# Altium PCB neuro_module.PcbDoc (part 2 of 5)
Units mm, origin at the board's own origin, x right, y up, seen from the top; angles counter-clockwise.
Board outline 96.06 x 102.67 mm, 6 copper layers (Top Layer, Power Layer, Signal Layer 1, GND Plane, Signal Layer 2, Bottom Layer), stack 1.48 mm thick; 479 components, 526 nets, 1822 pads, 1001 vias.
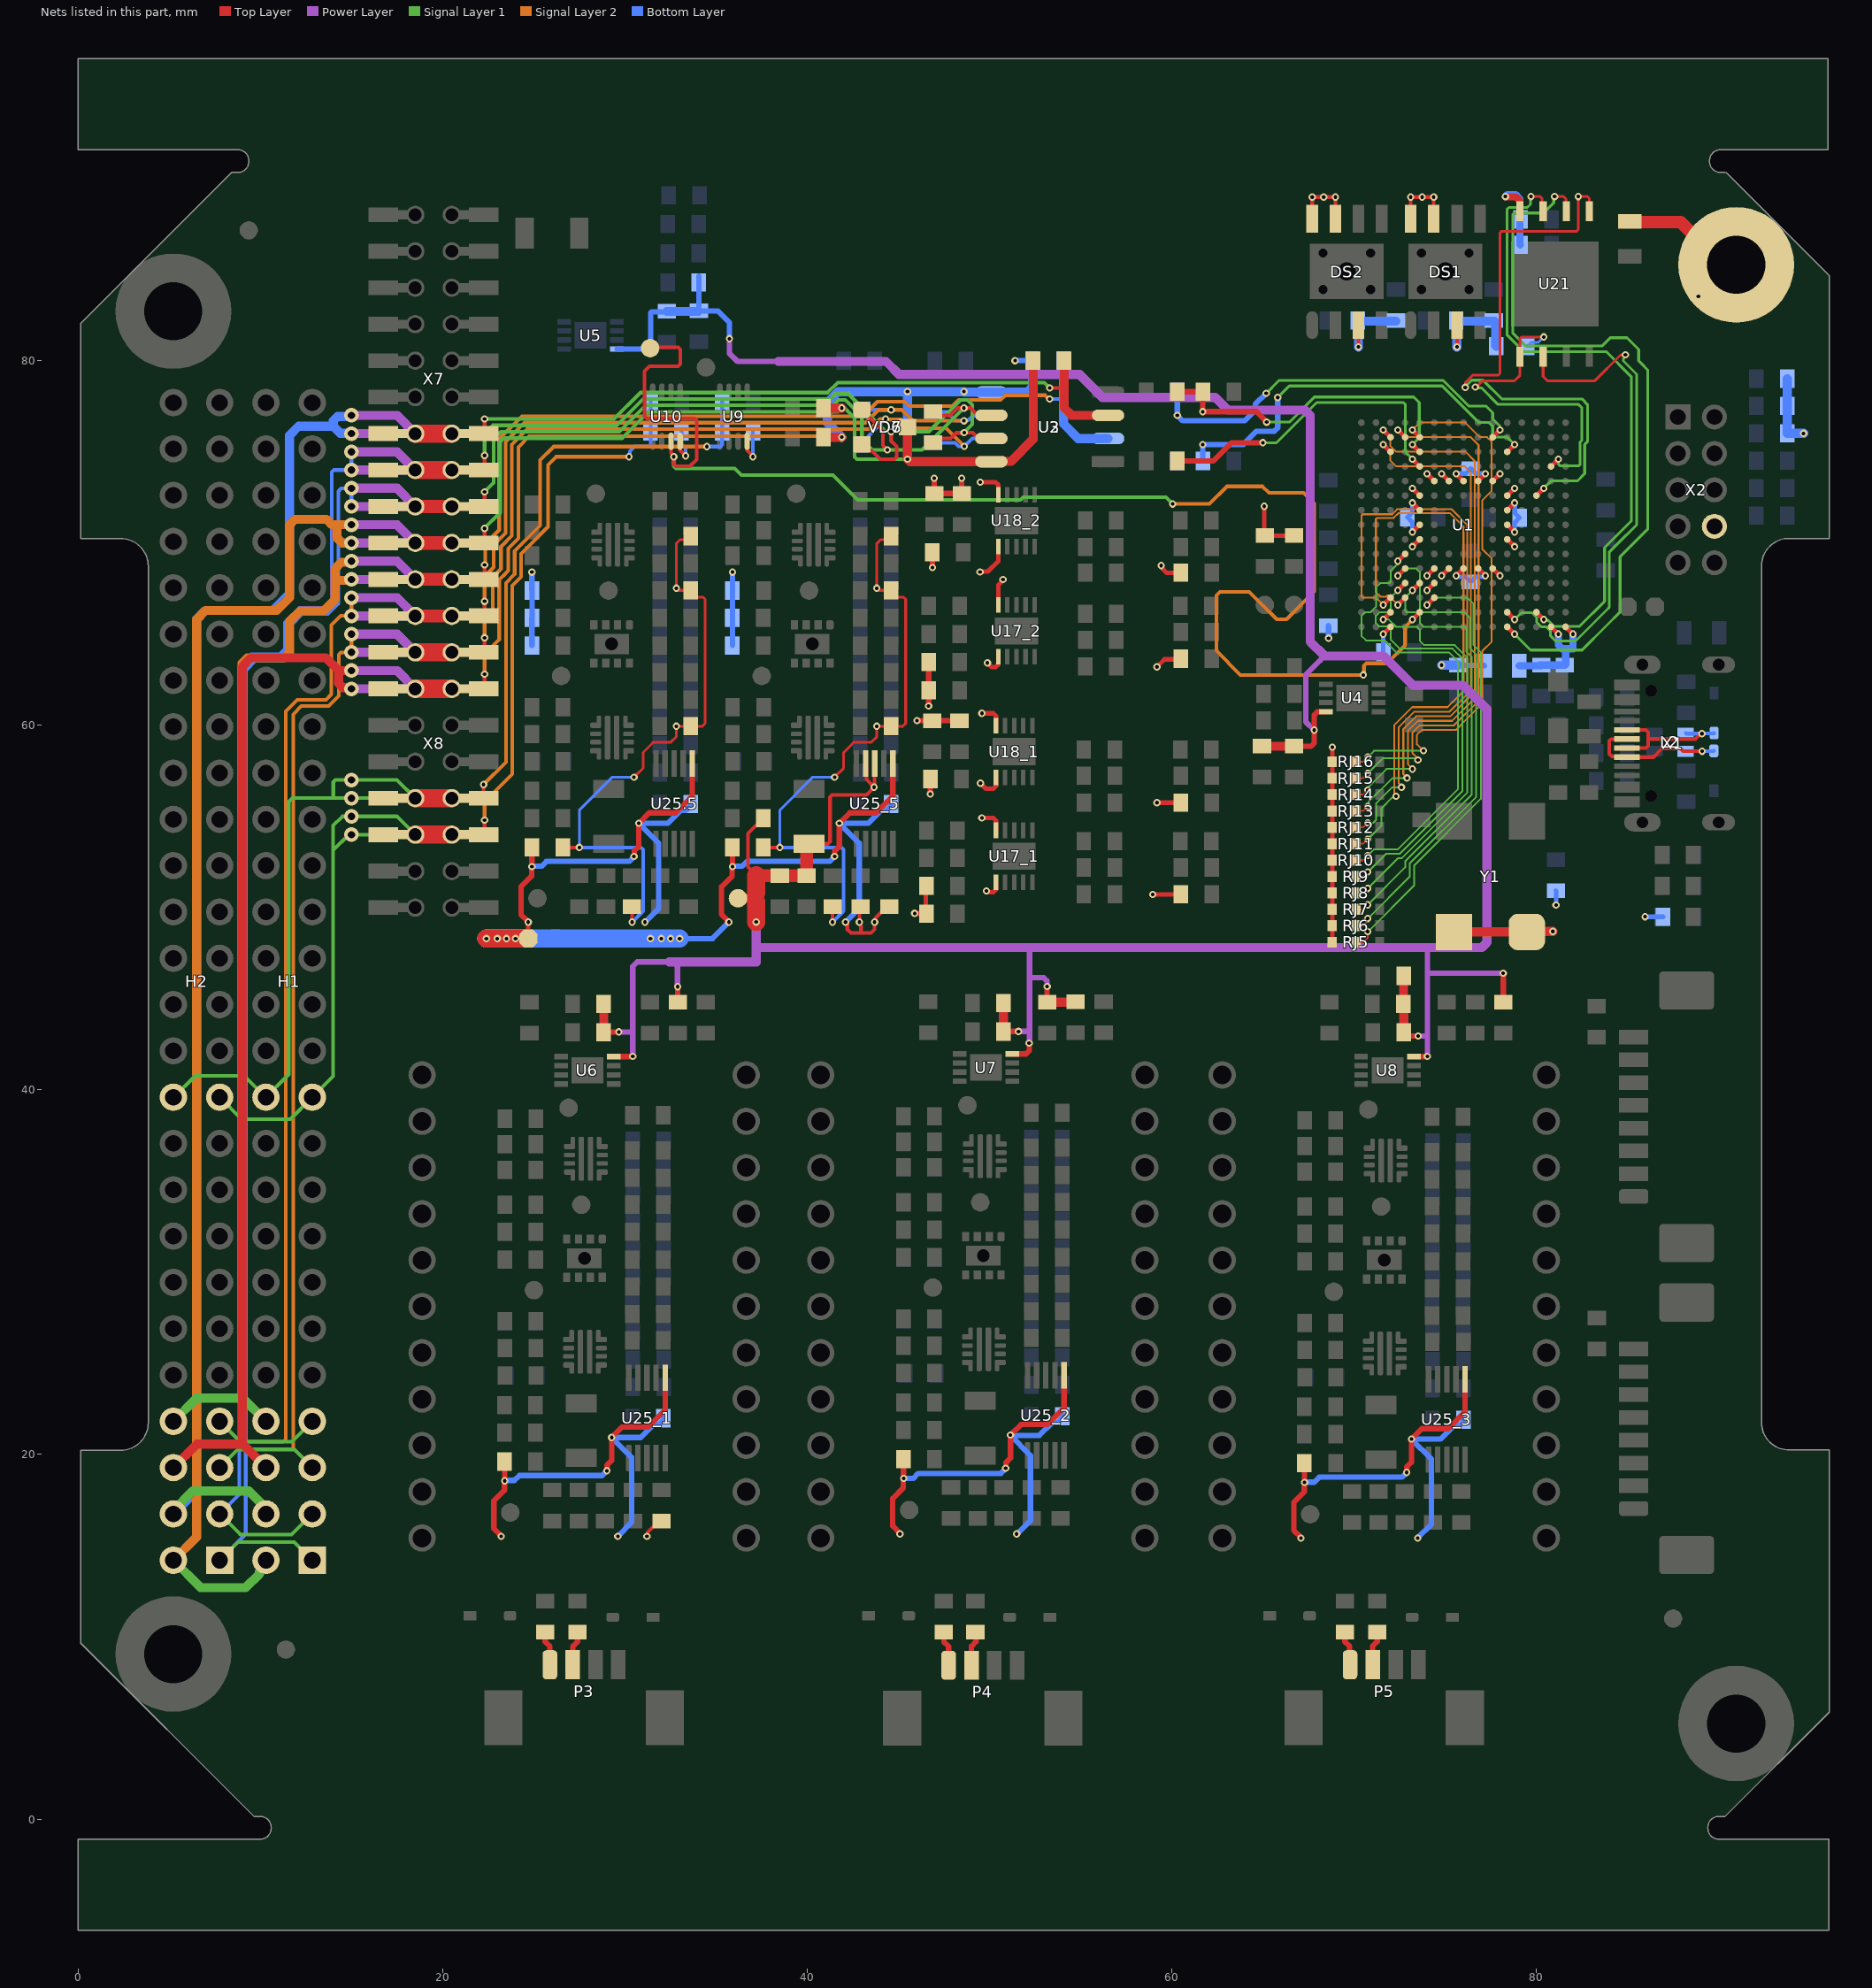
[diagram p6: the nets of this part, all layers, seen from the top]

## Footprints (in the part's own frame and the unit in brackets; to place one, negate y for a bottom-side part, rotate by r counter-clockwise, add the part's x,y. Pads: shape width x height; smd on the part's side, far side on the other; paste and mask are expansions set on the pad) (continued)
ESQ-126-39-G-D [mm] ".100\" PC/10 Elevated Socket Strip"
  rect 1.5x1.5 hole 0.9: 1(0,0)
  round 1.5 hole 0.9: 2(0,2.54) 3(2.54,0) 4(2.54,2.54) 5(5.08,0) 6(5.08,2.54) 7(7.62,0) 8(7.62,2.54) 9(10.16,0) 10(10.16,2.54) 11(12.7,0) 12(12.7,2.54) 13(15.24,0) 14(15.24,2.54) 15(17.78,0) 16(17.78,2.54) 17(20.32,0) 18(20.32,2.54) 19(22.86,0) 20(22.86,2.54) 21(25.4,0) 22(25.4,2.54) 23(27.94,0) 24(27.94,2.54) 25(30.48,0) 26(30.48,2.54) 27(33.02,0) 28(33.02,2.54) 29(35.56,0) 30(35.56,2.54) 31(38.1,0) 32(38.1,2.54) 33(40.64,0) 34(40.64,2.54) 35(43.18,0) 36(43.18,2.54) 37(45.72,0) 38(45.72,2.54) 39(48.26,0) 40(48.26,2.54) 41(50.8,0) 42(50.8,2.54) 43(53.34,0) 44(53.34,2.54) 45(55.88,0) 46(55.88,2.54) 47(58.42,0) 48(58.42,2.54) 49(60.96,0) 50(60.96,2.54) 51(63.5,0) 52(63.5,2.54)
  silkscreen extent -1.53,-1 65.03,3.54, body extent -1.39,-1.22 64.9,3.78, height 11.2
IDC2-10R [mil] "DS1014-10R, BH2-10R"
  rect 54x54 hole 34: 1(0,0)
  round 54 hole 34: 2(0,78.74) 3(78.74,0) 4(78.74,78.74) 5(157.48,0) 6(157.48,78.74) 7(236.22,0) 8(236.22,78.74) 9(314.96,0) 10(314.96,78.74)
  silkscreen extent -181,-35 496,118, body extent -181,-12 496,333, height 220
LED_0603 [mm]
  rect 0.8x1 smd: 1(0,0) 2(1.7,0)
  silkscreen extent -0.64,-0.5 2.32,0.51, body extent 0.04,-0.37 1.69,0.36, height 0.68
LFCSP-10_3x3 [mm] "LFCSP, 10-Leads, Body 3,00x3,00mm, Pitch 0,50mm, Thermal Pad 2,36x1,49mm, IPC Medium Density"
  rect 0.85x0.25 smd mask+0.05: 1(-1.42,1) 2(-1.42,0.5) 3(-1.42,0) 4(-1.42,-0.5) 5(-1.42,-1) 6(1.42,-1) 7(1.42,-0.5) 8(1.42,0) 9(1.42,0.5) 10(1.42,1)
  rect 1.49x2.36 smd mask+0.05: 11(0,0)
  silkscreen extent -2.15,-1.7 1.7,1.75, body extent -1.57,-1.55 1.57,1.55, height 0.8
NetTie_1mm [mm]
  oct 1x1 smd: 1(0,0) 2(1.5,0)
  Top Layer region: 1,-0.25 1.25,-0.5 1.75,-0.5 2,-0.25 2,0.25 1.75,0.5 1.25,0.5 1,0.25
  Top Layer region: -0.25,-0.5 -0.5,-0.25 -0.5,0.25 -0.25,0.5 0.25,0.5 0.5,0.25 0.5,-0.25 0.25,-0.5
  Top Layer lines w0.9: 0,0 1.5,0
  silkscreen extent 0.5,-0.4 1,0.4
PLD2-20_SD87340-20 [mm]
  round 1 hole 0.7: 1(-1.75,0) 2(-3.75,0) 3(-1.75,-2) 4(-3.75,-2) 5(-1.75,-4) 6(-3.75,-4) 7(-1.75,-6) 8(-3.75,-6) 9(-1.75,-8) 10(-3.75,-8) 11(-1.75,-10) 12(-3.75,-10) 13(-1.75,-12) 14(-3.75,-12) 15(-1.75,-14) 16(-3.75,-14) 17(-1.75,-16) 18(-3.75,-16) 19(-1.75,-18) 20(-3.75,-18)
  rect 1.5x0.5 smd: 1(-1.1,0) 2(-4.4,0) 3(-1.1,-2) 4(-4.4,-2) 5(-1.1,-4) 6(-4.4,-4) 7(-1.1,-6) 8(-4.4,-6) 9(-1.1,-8) 10(-4.4,-8) 11(-1.1,-10) 12(-4.4,-10) 13(-1.1,-12) 14(-4.4,-12) 15(-1.1,-14) 16(-4.4,-14) 17(-1.1,-16) 18(-4.4,-16) 19(-1.1,-18) 20(-4.4,-18)
  rect 1.626x0.813 smd: 1(0,0) 2(-5.5,0) 3(0,-2) 4(-5.5,-2) 5(0,-4) 6(-5.5,-4) 7(0,-6) 8(-5.5,-6) 9(0,-8) 10(-5.5,-8) 11(0,-10) 12(-5.5,-10) 13(0,-12) 14(-5.5,-12) 15(0,-14) 16(-5.5,-14) 17(0,-16) 18(-5.5,-16) 19(0,-18) 20(-5.5,-18)
  body extent -5.7,-19 0.3,1, height 2.1
ReperPoint [mm] "Reper"
  round 1 smd mask+1: 1(0,0)
SMD_0603 [mm]
  rect 0.8x1 smd: 1(0,0) 2(1.7,0)
  silkscreen extent -0.64,-0.6 2.33,0.6, body extent 0.04,-0.42 1.68,0.43, height 0.43
SMD_0805 [mm]
  rect 0.8x1.3 smd: 1(0,0) 2(1.9,0)
  silkscreen extent -0.64,-0.76 2.54,0.76, body extent -0.05,-0.62 1.95,0.63, height 0.43
SMD_1206 [mm]
  rect 1x1.7 smd: 1(0,0) 2(3,0)
  silkscreen extent 0.7,-0.91 2.3,0.9, body extent -0.09,-0.8 3.11,0.8, height 0.44
SMD_7050_Crystal_Oscillator [mm]
  rrect50% 2x2 smd: 1(-1,0)
  rect 2x2 smd: 2(5.08,0) 3(5.08,4) 4(-1,4)
  silkscreen extent -1.23,-0.5 5,4.5, body extent -1.4,-0.52 5.6,4.5, height 1.52
SMD_C0603 [mm]
  rect 0.8x1 smd: 1(0,0) 2(1.7,0)
  silkscreen extent -0.64,-0.6 2.32,0.6, body extent 0,-0.45 1.7,0.45, height 0.9
SMD_JMP_0402 [mm]
  rect 0.5x0.6 smd: 1(0,0) 2(1.3,0) 3(-1.3,0)
  silkscreen extent -1.73,-0.4 1.72,0.41, body extent 0.15,-0.25 1.15,0.25, height 0.34
SOD-123 [mm]
  rect 1.35x1.1 smd: 1(0,0) 2(2.85,0)
  silkscreen extent -0.83,-0.9 3.27,0.99, body extent -0.37,-0.8 3.22,0.8, height 1.19
SOD-323 [mm] "SC-76 plastic surface mounted package; 2 leads"
  rrect50% 0.7x0.5 smd: 1(0,0)
  rect 0.7x0.5 smd: 2(2.2,0)
  silkscreen extent -0.38,-0.7 2,0.76, body extent -0.2,-0.67 2.4,0.68, height 1.1
SOIC-8 [mil]
  rect 70x23.62 smd: 1(0,0)
  oval 70x25 smd: 2(0,-50) 3(0,-100) 4(0,-150) 5(251.97,-150) 6(251.97,-100) 7(251.97,-50) 8(251.97,0)
  silkscreen extent -5,-177 209,34, body extent 4,-173 248,24, height 69
SOT-23 [mm]
  rrect50% 0.95x0.9 smd: 1(0,0)
  rect 0.95x0.9 smd: 2(0,-1.9) 3(2.5,-0.95)
  silkscreen extent 0.87,-2.25 2.5,0.35, body extent 0,-2.45 2.5,0.55, height 1.08
TDFN-8_6x5 [mm] "TDFN 8-pin 6x5mm"
  oval 1.524x0.635 smd: 1(0,0)
  rect 1.524x0.635 smd: 2(0,-1.27) 3(0,-2.54) 4(0,-3.81) 5(5.825,-3.81) 6(5.825,-2.54) 7(5.825,-1.27) 8(5.825,0)
  round 0.8 hole 0.5: TP(1.95,-0.6) TP(1.95,-3.2) TP(3.95,-3.2) TP(3.95,-0.6)
  round 1.5 hole 1: TP(2.95,-1.9)
  rect 3.048x4.064 smd: TP(2.95,-1.9)
  silkscreen extent -0.83,-4.44 5.95,1, body extent -0.08,-4.4 5.92,0.6, height 0.79
TP_PAD_1 [mil]
  round 40 smd: 0(0,0)
US-8 [mm] "US, 8-Leads, Body 2,30x2,00mm, Pitch 0,50mm, IPC Medium Density"
  oval 0.95x0.3 smd: 1(-1.35,0.75) 2(-1.35,0.25) 3(-1.35,-0.25) 4(-1.35,-0.75) 5(1.35,-0.75) 6(1.35,-0.25) 7(1.35,0.25) 8(1.35,0.75)
  silkscreen extent -1.47,-1.2 0.65,1.58, body extent -1.55,-1.2 1.55,1.2, height 0.9
uSiL-8 [mm] "microSiP 9-pin 3.0x2.8mm"
  rrect50% 0.5x0.4 smd: 1(0,0)
  rect 0.5x0.4 smd: 2(0,-0.65) 3(0,-1.3) 4(0,-1.95) 5(2.1,-1.95) 6(2.1,-1.3) 7(2.1,-0.65) 8(2.1,0)
  round 1.1 hole 0.7: 9(1.05,-0.975)
  rect 1.1x1.9 smd: 9(1.05,-0.975)
  silkscreen extent -0.7,-2.55 2.45,0.6, body extent -0.35,-2.47 2.45,0.53, height 1.53
VALCON_CSP-USC16-TR [mm]
  rect 0.3x1.394 smd: A1(-3.35,0.254) A4(-2.55,0.254) A5(-1.25,0.254) A6(-0.25,0.254) A7(0.25,0.254) A8(1.25,0.254) A9(2.55,0.254) A12(3.35,0.254) B1(3.05,0.254) B4(2.25,0.254) B5(1.75,0.254) B6(0.75,0.254) B7(-0.75,0.254) B8(-1.75,0.254) B9(-2.25,0.254) B12(-3.05,0.254)
  oval 1x2 hole 0.65 slot 1.72 at 90 deg: S1(-4.325,-0.59) S2(4.325,-0.59)
  oval 0.9x1.8 hole 0.65 slot 1.4 at 90 deg: S3(-4.325,-4.77) S4(4.325,-4.77)
  round 0.65 hole 0.65 unplated: ""(-2.89,-1.07) ""(2.89,-1.07)
  silkscreen extent -5.67,-6.86 4.47,0.1, body extent -4.47,-7.3 4.47,0.45, height 3.26
VQFN-HR-10 [mm]
  rrect50% 0.6x0.3 smd: 1(-0.9,0.7) 4(-0.9,-0.7) 7(0.9,-0.7) 10(0.9,0.7)
  rrect50% 0.25x0.6 smd: 1(-0.725,0.875) 4(-0.725,-0.925) 7(0.725,-0.925) 10(0.725,0.875)
  rrect50% 0.6x0.25 smd: 2(-0.9,0.225) 3(-0.9,-0.225) 8(0.9,-0.225) 9(0.9,0.225)
  rrect50% 0.3x2.4 smd: 5(-0.25,-0.025) 6(0.25,-0.025)
  silkscreen extent -1.45,1.2 -1.2,1.45, body extent -1.1,-1.1 1.1,1.1, height 1
VSSOP-10 [mm] "Small Outline Package, 10-pin, 3x3mm, 1.1mm height"
  rrect50% 1.45x0.3 smd: 1(0,0)
  rect 1.45x0.3 smd: 2(0,-0.5) 3(0,-1) 4(0,-1.5) 5(0,-2) 6(4.4,-2) 7(4.4,-1.5) 8(4.4,-1) 9(4.4,-0.5) 10(4.4,0)
  silkscreen extent -0.12,-2.55 3.35,0.82, body extent -0.25,-2.55 4.65,0.55, height 1.1
WSON-8_6X8 [mm] "SON, 8-Leads, Body 6,00x8,00mm, Pitch 1,27mm, Thermal Pad 4,80x4,65mm, IPC Medium Density"
  rect 1.1x0.4 smd: 1(0,0) 2(0,-1.27) 3(0,-2.54) 4(0,-3.81) 5(7.98,-3.81) 6(7.98,-2.54) 7(7.98,-1.27) 8(7.98,0)
  rect 4.65x4.8 smd paste-2.325: 9(3.99,-1.905)
  silkscreen extent -0.61,-5.03 8.12,1.32, body extent -0.06,-4.91 8.04,1.09, height 0.8

## Part data
C1 C2 C3 C4 C7 C12.5 C12_1 C12_2 C12_3 C12_5 C13.5 C13_1 C13_2 C13_3 C13_5 C18.5 C18_1 C18_2 C18_3 C18_5 C19.5 C19_1 C19_2 C19_3 C19_5 C20 C21 C24 C25 C26 C27 C28 C29 C30 C31 C32.5 C32_1 C32_2 C32_3 C32_5 C33 C36 C37 C38 C39 C40 C41 C42 C43 C44 C45 C46 C47 C48 C49: library part Capacitor, "Capacitor", Назначение=SMD-конденсатор, Наименование=Конденсатор, Потребление, Вт=0
  C1 C2 C12.5 C12_1 C12_2 C12_3 C12_5 C13.5 C13_1 C13_2 C13_3 C13_5 C18.5 C18_1 C18_2 C18_3 C18_5 C19.5 C19_1 C19_2 C19_3 C19_5 C29 C30 C31 C33 C40 C42 C43 C44 C45 C46 C47 C48 C49: Напряжение=В, Точность=%
DS1 DS2: library part FM25V, "2Mb Serial 3V FRAM Memory", ComponentLink1Description=Datasheet, ComponentLink1URL=https://www.cypress.com/file/136456/download, Назначение="2Mb Serial 3V FRAM Memory", Наименование=FM25V20, Потребление, Вт=0,009
G1.5 G1_1 G1_2 G1_3 G1_5: "17-V Input 3-A Step-Down Converter MicroSiP™ Module with Integrated Inductor", Supplier Part Number 1=296-43922-1-ND, ComponentLink1Description="Data sheet", ComponentLink1URL=http://www.ti.com/lit/ds/symlink/tps82130.pdf, DataSheet=https://www.ti.com/lit/ds/symlink/tps82130.pdf?ts=1592813288219&ref_url=https%253A%252F%252Fwww.google.com%252F, Supplier 1=Digi-Key, Назначение="17-V Input 3-A Step-Down Converter MicroSiP™ Module with Integrated Inductor", Наименование=TPS82130, Потребление, Вт=1,0
H1 H2: "Elevated socket, dual-row, 26-pin per row", ComponentLink1Description=DataSheet, ComponentLink1URL=https://static.chipdip.ru/lib/071/DOC025071643.pdf, Place_v2=DNP, Назначение="Сквозной разъем, двойно, 52 контакта, шаг 2,54 мм", Наименование=ESQ-126-39-G-D, Потребление, Вт=0,00
L2: library part Inductor_coupled, "Coupled inductor", Назначение="Связанная индуктивность", Наименование=ACM2012-900-2P, Потребление, Вт=0,1
L4 L5: library part Inductor, "Inductor", Назначение=SMD-индуктивность, Наименование=Индуктивность, Потребление, Вт=0,010
NT1 NT2: library part NetTie, "Different Nets connection", Назначение=NetTie, Наименование=NetTie, Потребление, Вт=0,001
P1 P2: library part PicoBlade_53261-0871, "Male Header, Pitch 1.25 mm, 1 x 8 Position, Height 3.4 mm, -40 to 85 degC, RoHS, Tape and Reel", ComponentLink1Description=DataSheet, ComponentLink1URL=http://www.molex.com/pdm_docs/sd/532610671_sd.pdf, Назначение="Male Header, Pitch 1.25 mm, 1 x 8 Position, Height 3.4 mm, -40 to 85 degC, RoHS, Tape and Reel", Наименование=53261-0871, Потребление, Вт=0.0
P3 P4 P5: "Male Header, Pitch 1.25 mm, 1 x 4 Position, Height 3.4 mm, -40 to 85 degC, RoHS, Tape and Reel", ComponentLink1Description=DataSheet, ComponentLink1URL=http://www.molex.com/pdm_docs/sd/532610471_sd.pdf, Назначение="Male Header, Pitch 1.25 mm, 1 x 4 Position, Height 3.4 mm, -40 to 85 degC, RoHS, Tape and Reel", Наименование=PicoBlade_53261-0471, Потребление, Вт=0.0
R1 R2 R3 R4 R5 R9 R12 R13 R14 R16 R17.5 R17_1 R17_2 R17_3 R17_5 R20.5 R20_1 R20_2 R20_3 R20_5 R21.5 R21_1 R21_2 R21_3 R21_5 R22.5 R22_1 R22_2 R22_3 R22_5 R23.5 R23_1 R23_2 R23_3 R23_5 R24.5 R24_1 R24_2 R24_3 R24_5 R25.5 R25_1 R25_2 R25_3 R25_5 R27.5 R27_1 R27_2 R27_3 R27_5 R28.5 R28_1 R28_2 R28_3 R28_5 R30.5 R30_1 R30_2 R30_3 R30_5 R31.5 R31_1 R31_2 R31_3 R31_5 R33.5 R33_1 R33_2 R33_3 R33_5 R34.5 R34_1 R34_2 R34_3 R34_5 R35.5 R35_1 R35_2 R35_3 R35_5 R36.5 R36_1 R36_2 R36_3 R36_5 R37.5 R37_1 R37_2 R37_3 R37_5 R38.5 R38_1 R38_2 R38_3 R38_5 R39.5 R39_1 R39_2 R39_3 R39_5 R40.5 R40_1 R40_2 R40_3 R40_5 R41.5 R41_1 R41_2 R41_3 R41_5 R42.5 R42_1 R42_2 R42_3 R42_5 R43.5 R43_1 R43_2 R43_3 R43_5 R44.5 R44_1 R44_2 R44_3 R44_5 R45.5 R45_1 R45_2 R45_3 R45_5 R46 R47 R51 R52 R65 R66 R68 R69 R70 R71 R72 R73 R74 R76 R77 R78 R79 R80 R82.5 R82_1 R82_2 R82_3 R82_5 R83.5 R83_1 R83_2 R83_3 R83_5 R84.5 R84_1 R84_2 R84_3 R84_5 R85.5 R85_1 R85_2 R85_3 R85_5 R86 R87 R92 R93 R94 R95 R96 R103 R104 R105 R106 R109 R110 R111 R112 R113 R114 R115: library part Resistor, "Resistor", Назначение=SMD-резистор, Потребление, Вт=0,001
  R1 R2 R3 R20.5 R20_1 R20_2 R20_3 R20_5 R21.5 R21_1 R21_2 R21_3 R21_5 R22.5 R22_1 R22_2 R22_3 R22_5 R23.5 R23_1 R23_2 R23_3 R23_5 R24.5 R24_1 R24_2 R24_3 R24_5 R25.5 R25_1 R25_2 R25_3 R25_5 R27.5 R27_1 R27_2 R27_3 R27_5 R28.5 R28_1 R28_2 R28_3 R28_5 R30.5 R30_1 R30_2 R30_3 R30_5 R31.5 R31_1 R31_2 R31_3 R31_5 R33.5 R33_1 R33_2 R33_3 R33_5 R34.5 R34_1 R34_2 R34_3 R34_5 R35.5 R35_1 R35_2 R35_3 R35_5 R36.5 R36_1 R36_2 R36_3 R36_5 R37.5 R37_1 R37_2 R37_3 R37_5 R38.5 R38_1 R38_2 R38_3 R38_5 R39.5 R39_1 R39_2 R39_3 R39_5 R40.5 R40_1 R40_2 R40_3 R40_5 R41.5 R41_1 R41_2 R41_3 R41_5 R42.5 R42_1 R42_2 R42_3 R42_5 R43.5 R43_1 R43_2 R43_3 R43_5 R44.5 R44_1 R44_2 R44_3 R44_5 R82.5 R82_1 R82_2 R82_3 R82_5 R83.5 R83_1 R83_2 R83_3 R83_5 R84.5 R84_1 R84_2 R84_3 R84_5 R85.5 R85_1 R85_2 R85_3 R85_5 R87 R95 R96 R105 R106: Наименование=Резистор
  R4 R5 R9 R12 R13 R14 R16 R17.5 R17_1 R17_2 R17_3 R17_5 R52 R65 R66 R68 R69 R70 R71 R72 R76 R77 R78 R79 R86 R92 R93 R94 R103 R109 R110 R111 R112 R113 R114 R115: Наименование=Резистор, Описание="Резистор 0603 10K ±1% 100ppm/°C"
  R46 R47 R73 R74: Наименование=Резистор, Точность=%
  R51: Place_v2=DNP, Наименование=Резистор
  R80 R104: Наименование=Резистор, Описание="Резистор 0603 100 ±1% 100ppm/°C"
R81.5 R81_1 R81_2 R81_3 R81_5: library part Resistor, "PE1206DRM470R01L", Назначение=SMD-резистор, Наименование=Резистор, Потребление, Вт=0,001
RJ5 RJ6 RJ7 RJ8 RJ9 RJ10 RJ11 RJ12 RJ13 RJ14 RJ15 RJ16: library part Resistor_Jamper, "Resistor-Jumper", Назначение="Резистор для выбора режима", Наименование=Резистор, Потребление, Вт=0,0
TP1.5 TP1_1 TP1_2 TP1_3 TP1_5 TP2.5 TP2_1 TP2_2 TP2_3 TP2_5 TP3.5 TP3_1 TP3_2 TP3_3 TP3_5 TP4 TP5 TP6.5 TP6_1 TP6_2 TP6_3 TP6_5 TP7 TP8: library part TP, Назначение="Контроль параметров платы", Наименование="Точка проверки"
  TP1.5 TP1_1 TP1_2 TP1_3 TP1_5: TP_Name=VBAT
  TP2.5 TP2_1 TP2_2 TP2_3 TP2_5: TP_Name=V_IN
  TP3.5: TP_Name=3V3_RAW
  TP3_1 TP3_2 TP3_3 TP3_5: TP_Name=5V0_RAW
  TP4: TP_Name=SCL
  TP5: TP_Name=SDA
  TP6.5: TP_Name=3V3_OUT
  TP6_1 TP6_2 TP6_3 TP6_5: TP_Name=5V0_OUT
  TP7: TP_Name=PPS
  TP8: TP_Name=BAT_LOW
U1: "High-performance and DSP with FPU, Arm Cortex-M7 MCU with 2 Mbytes of Flash memory, 216 MHz CPU, Art Accelerator, L1 cache, SDRAM, TFT, MIPI-DSI, JPEG codec, DFSDM", ComponentLink1Description=DataSheet, ComponentLink1URL=https://www.st.com/resource/en/datasheet/stm32f769ni.pdf, Назначение="Arm Cortex-M7 MCU", Наименование=STM32F769NI, Потребление, Вт=0.01
U2 U3: "Isolated CAN Transceiver", ComponentLink1Description=Datasheet, ComponentLink1URL=https://static.chipdip.ru/lib/205/DOC000205042.pdf, Назначение="CAN приемник", Наименование=TJA1050T/CM,118, Потребление, Вт=0,001
U4 U5 U6 U7 U8: library part CMP-0192-00111-1, "±0.25°C Typ. Accuracy Digital Temperature Sensor, 8-Pin DFN, Extended Temperature", DatasheetVersion="revA, Sep-2009", PackageDescription="8-Lead Plastic Dual Flat, No Lead Package (MC) - 2x3x0.9mm Body [DFN]", PackageReference=DFN-MC8, PackageVersion="revBB, Aug-2009"
U9 U10: "TinyLogic UHS Triple Buffer", Supplier Part Number 1=NC7NZ34K8XCT-ND, ComponentLink1Description=DataSheet, ComponentLink1URL=https://www.onsemi.com/pdf/datasheet/nc7nz34-d.pdf, Supplier 1=Digi-Key, Назначение="TinyLogic UHS Triple Buffer", Наименование=NC7NZ34K8X, Потребление, Вт=0.01
U17_1 U17_2 U18_1 U18_2: library part ADM3066E, "3.0 V to 5.5 V, ±12 kV IEC ESD Protected, 500 kbps/50 Mbps RS-485 Transceiver", Назначение="RS-485 Transceiver", Наименование=ADM3066EBCPZ, Потребление, Вт=0,1
U19.5 U19_1 U19_2 U19_3 U19_5 U20.5 U20_1 U20_2 U20_3 U20_5: "TPS25947xx, 2.7 - 23 V, 5.5 A, 28-mΩ True Reverse Current Blocking eFuse with Input / Reverse Polarity Protection", ComponentLink1Description=DataSheet, ComponentLink1URL=https://www.ti.com/lit/ds/symlink/tps25947.pdf?ts=1621925066842&ref_url=https%253A%252F%252Fwww.ti.com%252Fproduct%252FTPS25947%253FkeyMatch%253DTPS25947%2526tisearch%253Dsearch-everything%2526usecase%253DGPN, Назначение="2.7 - 23 V, 5.5 A, 28-mΩ True Reverse Current Blocking eFuse with Input", Наименование=TPS259474LRPW, Потребление, Вт=0,05
U21: "Programmable NOR flash memory", Supplier Part Number 1=428-4618-ND, ComponentLink1Description=DataSheet, ComponentLink1URL=https://www.infinite-electronic.ru/datasheet/8b-S25FL256SAGBHV203.pdf, Supplier 1=Digi-Key, Назначение="Programmable NOR flash memory", Наименование=S25FL128SAGN, Потребление, Вт=0.1
U25.5 U25_1 U25_2 U25_3 U25_5: "High- or Low-Side Measurement, Bidirectional Current and Power Monitor With I2C Interface", ComponentLink1Description="Data sheet", ComponentLink1URL=http://www.ti.com/lit/ds/symlink/ina226.pdf, DataSheet=https://www.ti.com/lit/ds/symlink/ina226.pdf?ts=1592809211957&ref_url=https%253A%252F%252Fwww.google.com%252F, Назначение="High-Side or Low-Side Measurement,", Наименование=INA226, Потребление, Вт=0,001
VD1_1 VD1_2 VD1_3 VD2_1 VD2_2 VD2_3 VD4 VD5: library part PESDxL1BA, "Low capacitance bidirectional ESD protection diodes", ComponentLink1Description=DataSheet, ComponentLink1URL=https://static.chipdip.ru/lib/635/DOC005635911.pdf, Назначение="ESD защитные диоды", Потребление, Вт=0.0
  VD1_1 VD1_2 VD1_3 VD2_1 VD2_2 VD2_3: Наименование=PESDxL1BA
  VD4 VD5: Наименование=PESD5V0S1BA
VD3: "Schottky diode", Назначение="Диод шотки", Наименование=MBR0540, Потребление, Вт=0,001
VD6 VD7: "CAN bus ESD protection diode", ComponentLink1Description=DataSheet, ComponentLink1URL=https://docviewer.yandex.ru/view/20572601/?*=RQqn8Wj9g8uNyA%2Fh5vLXNATrwhl7InVybCI6Imh0dHBzOi8vYXNzZXRzLm5leHBlcmlhLmNvbS9kb2N1bWVudHMvZGF0YS1zaGVldC9QRVNEMkNBTi5wZGYiLCJ0aXRsZSI6IlBFU0QyQ0FOLnBkZiIsIm5vaWZyYW1lIjp0cnVlLCJ1aWQiOiIyMDU3MjYwMSIsInRzIjoxNTk2Nzk0OTE4Njc4LCJ5dSI6Ijg4OTA2MTMzMTU0MzM4NzEyMSIsInNlcnBQYXJhbXMiOiJsYW5nPWVuJnRtPTE1OTY3OTQ4OTAmdGxkPXJ1Jm5hbWU9UEVTRDJDQU4ucGRmJnRleHQ9cGVzZDJjYW4mdXJsPWh0dHBzJTNBLy9hc3NldHMubmV4cGVyaWEuY29tL2RvY3VtZW50cy9kYXRhLXNoZWV0L1BFU0QyQ0FOLnBkZiZscj02NSZtaW1lPXBkZiZsMTBuPXJ1JnNpZ249MzE3ZjE4NzU1MTcwMWNmYmI4ZDQxYzc2OTNlYTFkYzIma2V5bm89MCJ9&lang=en, Назначение="Защитная диодная сборка CAN-шины от ЭСР", Наименование=PESD2CAN, Потребление, Вт=0,001
X1: "CSP-USC16-TR Valcon USB Type C Surface Mount PCB Socket", Package=None, Availability="No availability data", Check_prices=https://www.snapeda.com/parts/CSP-USC16-TR/Valcon/view-part/4783629/?ref=eda, MF=Valcon, MP=CSP-USC16-TR, Price=None, Purchase-URL=https://pricing.snapeda.com/search/part/CSP-USC16-TR/?ref=eda, SnapEDA_Link=https://www.snapeda.com/parts/CSP-USC16-TR/Valcon/view-part/4783629/?ref=snap, Назначение="SMD соединитель USB type C", Наименование=CSP-USC16-TR, Потребление, Вт=0
X2: "Header, 10-Pin, Dual row", Назначение="Header, 10-Pin, Dual row, R/A", Наименование="IDC2-10R (DS1014-10R, BH2-10R)", Потребление, Вт=0,0
X7 X8: "Header, 20-Pin, Dual row", Place_v2=DNP, Назначение="Header, 20-Pin, Dual row", Наименование=SD87340-20, Потребление, Вт=0,0, Примечание="Для монтажа из 2-х 10-pin необходимо сточить край разъема"
Y1: library part Crystal_Oscillator, "Crystall oscillator, CMOS, 3.3V, SMD7050", ComponentLink1Description=DataSheet, ComponentLink1URL=https://ru.mouser.com/datasheet/2/137/G_1000CA_en-1003255.pdf, Назначение="Crystall oscillator, CMOS, 3.3V, SMD7050, 10 МГц", Наименование=XG-100CA, Потребление, Вт=0.12
C5_1 C5_2 C6_1 C6_2 C8_1 C8_2 C9.5 C9_1 C9_2 C9_3 C9_5 C10.5 C10_1 C10_2 C10_3 C10_5 C11.5 C11_1 C11_2 C11_3 C11_5 C14.5 C14_1 C14_2 C14_3 C14_5 C15.5 C15_1 C15_2 C15_3 C15_5 C16.5 C16_1 C16_2 C16_3 C16_5 C17.5 C17_1 C17_2 C17_3 C17_5 C34 C35: Назначение=SMD-конденсатор, Наименование=Конденсатор, Напряжение=В, Потребление, Вт=0, Точность=%
D1.5 D1_1 D1_2 D1_3 D1_5 D2 D3 D4: Назначение=Светодиод, Наименование=SMD-LED, Потребление, Вт=0,01
L1 L3: Назначение=SMD-индуктивность, Наименование=Индуктивность, Потребление, Вт=0,010
R6 R7_1 R7_2 R8_1 R8_2 R10_1 R10_2 R11_1 R11_2 R15_1 R15_2 R18 R19 R26.5 R26_1 R26_2 R26_3 R26_5 R29.5 R29_1 R29_2 R29_3 R29_5 R32.5 R32_1 R32_2 R32_3 R32_5 R48_1 R48_2 R49_1 R49_2 R50_1 R50_2 R53_1 R53_2 R54_1 R54_2 R55 R56 R57_1 R57_2 R58_1 R58_2 R59_1 R59_2 R60_1 R60_2 R61_1 R61_2 R62_1 R62_2 R63_1 R63_2 R63_3 R64_1 R64_2 R64_3 R67 R75 R88 R89 R90 R91 R97 R98 R101 R102 R107 R108: Назначение=SMD-резистор, Наименование=Резистор, Потребление, Вт=0,001, Точность=%
RP1 RP2 RP3 RP4 RP5 RP6: Назначение="реперная метка для автоматического монтажа", Наименование="Реперная метка"

## Free pads (board coordinates)
  round 6.35 hole 3.18 mask+0: 1(5.23,9.055) 1(5.23,82.715) 1(90.96,5.245) 1(90.96,85.255)

## Via types
v1: diameter 0.4, hole 0.2, Top Layer to Bottom Layer, tented both sides, 835 vias
v2: diameter 0.8, hole 0.4, Top Layer to Bottom Layer, tented both sides, 89 vias
v3: diameter 1.2, hole 0.8, Top Layer to Bottom Layer, 32 vias
v4: diameter 0.6, hole 0.6, Top Layer to Bottom Layer, tented both sides, 16 vias
v5: diameter 0.4, hole 0.2, Top Layer to Bottom Layer, 11 vias
v6: diameter 0.5, hole 0.2, Top Layer to Bottom Layer, tented top, 8 vias
v7: diameter 0.5, hole 0.25, Top Layer to Bottom Layer, tented both sides, 4 vias
v8: diameter 0.9, hole 0.9, Top Layer to Bottom Layer, 3 vias
v9: diameter 0.5, hole 0.2, Top Layer to Bottom Layer, tented bottom, 2 vias
v10: diameter 0.8, hole 0.5, Top Layer to Bottom Layer, 1 vias

## Nets (pads, with @x,y where several pads share a name; then routed paths per layer and width w, separated by ;. In a path a pad name is that pad's centre, name@x,y a point inside that pad or via, vN(x,y) a via of type N, cw(c..) or ccw(c..) an arc to the next point about the centre after c; other vN are vias at no path point)
3V3: C3.2 C4.2 C5_1.2 C5_2.2 C6_1.2 C6_2.2 C7.2 C8_1.2 C8_2.2 C20.2 C21.2 C24.2 C25.2 C32.5.2 C32_1.2 C32_2.2 C32_3.2 C32_5.2 C33.2 C36.2 C37.2 C41.2 DS1.3 DS1.7 DS1.8 DS2.3 DS2.7 DS2.8 L4.1 NT2.2 R3.1 R4.2 R5.2 R7_1.1 R7_2.1 R10_1.1 R10_2.1 R15_1.1 R15_2.1 R17.5.2 R17_1.2 R17_2.2 R17_3.2 R17_5.2 R54_1.1 R54_2.1 R79.1 R84_1.1 R84_5.1 R85_5.1 R86.1 R88.1 R91.1 R92.2 R93.2 R97.1 R98.1 R101.1 RJ5.3 RJ6.3 RJ7.3 RJ8.3 RJ9.3 RJ10.3 RJ11.3 RJ12.3 RJ13.3 RJ14.3 RJ15.3 RJ16.3 U1.C1 U1.E7 U1.E8 U1.E9 U1.E10 U1.F4 U1.F5 U1.F11 U1.G5 U1.G11 U1.H5 U1.H11 U1.J5 U1.J11 U1.K5 U1.K11 U1.L7 U1.L8 U1.L9 U1.L10 U9.8 U10.8 U17_1.1 U17_1.10 U17_2.1 U17_2.10 U18_1.1 U18_1.10 U18_2.1 U18_2.10 U21.8 U25.5.6 U25_1.6 U25_2.6 U25_3.6 U25_5.6 X2.8 Y1.1 Y1.4 | length 264.6
  Top Layer w0.1: R15_1.1@46.507,49.682 R15_1.1@46.533,49.657 ; R10_1.1@46.507,51.167 R10_1.1@46.533,51.192 ; v1@68.6,64.694 v1(68.6,64.775) ; Y1.1@80.213,48.682 80.223,48.692 Y1.1@80.248,48.717
  Top Layer w0.2: v1(31.209,15.509) 31.248,15.547 31.248,15.73 31.576,16.058 31.709,16.058 R84_1.1@32.009,16.358 ; U10.8@33.026,75.665 U10.8@33.026,75.58 33.026,75.083 v1(33.332,74.778) ; U9.8@36.709,75.665 U9.8@36.709,75.58 36.709,75.083 v1@37.015,74.778 ; v1@42.2,49.2 42.2,48.8 42.4,48.6 42.95,48.6 ; v1(42.857,49.2) 42.857,49.871 43.035,50.049 R85_5.1@42.935,50.049 ; 42.95,49.009 42.95,48.6 ; R84_5.1@44.5,50.049 44.2,49.749 44.066,49.749 43.738,49.421 43.738,49.238 v1(43.7,49.2) 43.7,48.8 43.5,48.6 42.95,48.6 ; DS2.8@67.7,87.775 v1(67.7,88.975) v1(68.335,88.975) v1(68.97,88.975) DS2.7@68.97,87.775 ; v1(70.24,80.75) DS2.3@70.24,81.95 ; DS1.8@73.1,87.775 v1(73.1,88.975) v1(73.735,88.975) v1(74.37,88.975) DS1.7@74.37,87.775 ; v1(75.64,80.75) DS1.3@75.64,81.95
  Top Layer w0.25: NT2.2@24.7,48.3 v1(24.7,49.2) ; R15_1.1@46.507,49.682 R10_1.1@46.507,51.167 ; R15_1.1@46.685,49.29 R15_1.1@46.691,49.296 ; C6_1.2@48.352,60.252 C6_1.2@48.356,60.256 ; v1(49.479,68.402) 49.508,68.431 49.905,68.431 50.479,69.005 U18_2.1@50.479,69.805 U18_2.1@50.479,70.105 ; v1(49.492,73.33) 50.333,73.33 50.479,73.183 U18_2.10@50.479,72.645 ; v1(49.505,56.82) 49.809,56.515 50.206,56.515 50.352,56.661 U18_1.1@50.352,57.132 ; v1(49.581,54.92) 50.206,54.92 50.352,54.774 U17_1.10@50.352,54.237 U17_1.10@50.352,54.229 ; v1(49.581,60.655) 50.206,60.655 50.352,60.509 U18_1.10@50.352,59.972 ; v1(49.827,50.911) 49.868,50.911 49.933,50.846 50.206,50.846 50.352,50.992 U17_1.1@50.352,51.397 ; v1(49.886,63.424) 50.126,63.184 50.333,63.184 50.479,63.33 U17_2.1@50.479,63.75 ; U17_2.10@50.479,66.601 50.479,67.689 50.742,67.952 v1(50.742,67.992) ; v1(58.96,50.719) 58.965,50.724 R7_1.1@60.503,50.724 ; v1(59.182,55.753) R54_1.1@60.49,55.753 ; v1(59.185,63.203) 59.596,63.614 60.452,63.614 R7_2.1@60.49,63.652 ; v1(59.411,68.758) 59.411,68.717 59.49,68.638 59.49,68.589 59.715,68.363 R54_2.1@60.49,68.363 ; v1(65.075,72.009) 65.075,70.675 65.109,70.641 R4.2@65.112,70.641 ; R4.2@65.1,70.4 R5.2@66.7,70.4 ; RJ5.3@68.8,48.1 RJ6.3@68.8,49 RJ7.3@68.8,49.9 RJ8.3@68.8,50.8 RJ9.3@68.8,51.7 RJ10.3@68.8,52.6 RJ11.3@68.8,53.5 RJ12.3@68.8,54.4 RJ13.3@68.8,55.3 RJ14.3@68.8,56.2 RJ15.3@68.8,57.1 RJ16.3@68.8,58 v1(68.8,58.8) ; v1(71.6,65) U1.C1@72,65.4 ; v1(73.2,69.8) U1.E7@73.6,70.2 ; v1(73.2,70.6) U1.E8@73.6,71 ; v1(73.2,72.2) U1.E9@73.6,71.8 ; v1(73.2,73) U1.E10@73.6,72.6 ; v1(74,67.4) U1.F4@74.4,67.8 ; v1(74,68.2) U1.F5@74.4,68.6 ; v1(74,73.8) U1.F11@74.4,73.4 ; v1(74.8,68.2) U1.G5@75.2,68.6 ; v1(74.8,73.8) U1.G11@75.2,73.4 ; v1(75.6,68.2) U1.H5@76,68.6 ; v1(75.6,73.8) U1.H11@76,73.4 ; U1.J5@76.8,68.6 v1(77.2,68.2) ; U1.J11@76.8,73.4 v1(77.2,73.8) ; U1.K5@77.6,68.6 v1(78,68.2) ; U1.K11@77.6,73.4 v1(78,73.8) ; U1.L7@78.4,70.2 v1(78.8,69.8) ; U1.L8@78.4,71 v1(78.8,70.6) ; U1.L9@78.4,71.8 v1(78.8,72.2) ; U1.L10@78.4,72.6 v1(78.8,73)
  Top Layer w0.3: v1(23.209,15.509) 23.209,15.536 22.812,15.934 22.812,17.46 23.39,18.038 23.39,18.538 v1(23.409,18.557) 23.405,18.561 23.405,19.605 R17_1.2@23.401,19.609 ; v1(24.7,49.2) 24.7,49.227 24.303,49.624 24.303,51.15 24.881,51.729 24.881,52.229 v1(24.9,52.248) 24.896,52.252 24.896,53.296 R17.5.2@24.891,53.3 ; v1(29.009,19.109) 29.019,19.119 29.019,19.419 29.271,19.671 v1(29.271,20.934) 29.846,21.509 31.291,21.509 32.209,22.427 U25_1.6@32.209,24.209 ; v1(30.5,52.8) 30.51,52.81 30.51,53.11 30.762,53.362 v1(30.762,54.625) 31.337,55.2 32.782,55.2 33.7,56.118 U25.5.6@33.7,57.9 ; v1(35.7,49.2) 35.7,49.227 35.303,49.624 35.303,51.15 35.881,51.729 35.881,52.229 v1(35.9,52.248) 35.896,52.252 35.896,53.296 R17_5.2@35.891,53.3 ; v1(41.5,52.8) 41.51,52.81 41.51,53.11 41.762,53.362 v1(41.762,54.625) 42.337,55.2 43.782,55.2 44.7,56.118 U25_5.6@44.7,57.9 ; v1(45.088,15.646) 45.088,15.673 44.691,16.071 44.691,17.597 45.269,18.175 45.269,18.675 v1(45.288,18.694) 45.284,18.698 45.284,19.742 R17_2.2@45.28,19.746 ; v1(45.891,49.682) R15_1.1@46.507,49.682 ; v1(46.025,60.252) C5_1.2@46.852,60.252 ; v1(46.66,61.062) R15_2.1@46.66,61.925 R10_2.1@46.66,63.475 ; C5_1.2@46.736,60.369 C5_1.2@46.852,60.252 ; v1(46.752,56.225) C8_1.2@46.752,57.052 ; v1(46.874,68.656) C8_2.2@46.874,69.483 ; v1(46.965,73.558) 46.965,72.731 C5_2.2@46.979,72.716 C6_2.2@48.479,72.716 ; C6_1.2@48.352,60.252 C5_1.2@46.852,60.252 ; C6_1.2@48.356,60.256 C6_1.2@48.362,60.262 ; C6_2.2@48.468,72.727 v1(48.468,73.555) ; v1(50.888,19.246) 50.898,19.256 50.898,19.556 51.15,19.808 v1(51.15,21.071) 51.725,21.646 53.17,21.646 54.088,22.564 U25_2.6@54.088,24.346 ; v1(67.085,15.418) 67.085,15.445 66.687,15.842 66.687,17.368 67.265,17.946 67.265,18.446 v1(67.285,18.465) 67.28,18.47 67.28,19.513 R17_3.2@67.276,19.518 ; v1(72.885,19.018) 72.894,19.027 72.894,19.327 73.146,19.579 v1(73.146,20.843) 73.721,21.418 75.166,21.418 76.085,22.336 U25_3.6@76.085,24.118
  Top Layer w0.4: v1(78.3,89) 78.31,88.99 78.866,88.99 79.1,88.756 U21.8@79.1,88.2
  Top Layer w0.5: Y1.4@75.494,48.674 Y1.1@79.494,48.674 ; Y1.4@76.213,48.682 Y1.4@76.231,48.7 ; Y1.1@79.511,48.692 80.223,48.692 v1(80.899,48.692)
  Top Layer w1: v1(22.4,48.3) v1(23,48.3) v1(23.5,48.3) v1(24,48.3) NT2.2@24.7,48.3
  Bottom Layer w0.1: v1@33.325,74.785 v1(33.332,74.778)
  Bottom Layer w0.2: R86.1@33.11,76.124 33.11,75.424 33.325,75.209 v1@33.325,74.785 ; C32.5.2@33.605,55.68 C32.5.2@33.7,55.775 ; v1@37.022,74.789 R79.1@37.022,76.124 ; C32_5.2@44.605,55.68 C32_5.2@44.7,55.775 ; C32_2.2@53.993,22.101 C32_2.2@54.088,22.195 ; C32_3.2@75.99,21.897 C32_3.2@76.085,21.992
  Bottom Layer w0.25: C7.2@71.6,64 v1(71.6,65) ; v1@73.199,70.601 73.199,71.131 C41.2@72.924,71.406 73.199,71.681 v1@73.199,72.199 ; v1(75.6,68.2) 75.641,68.2 75.699,68.141 76.121,68.141 C36.2@76.396,67.866 76.671,68.141 77.101,68.141 77.159,68.2 v1(77.2,68.2) ; v1(75.6,73.8) 75.609,73.809 76.12,73.809 C3.2@76.395,74.084 76.67,73.809 77.191,73.809 v1(77.2,73.8) ; v1(78.8,70.6) 78.8,71.104 C4.2@79.074,71.378 78.829,71.623 78.829,72.171 v1(78.8,72.2) ; C33.2@81.064,50.932 81.077,50.919 v1(81.077,50.14) ; v1(85.955,49.497) R3.1@86.955,49.497
  Bottom Layer w0.3: v1(23.409,18.557) 23.428,18.576 23.938,18.576 24.209,18.847 28.747,18.847 v1(29.009,19.109) ; v1(24.9,52.248) 24.919,52.267 25.429,52.267 25.7,52.538 30.238,52.538 v1(30.5,52.8) ; v1(29.609,15.509) 30.367,16.267 30.367,19.838 v1(29.271,20.934) 30.857,20.934 31.562,21.639 31.864,21.639 32.114,21.889 C32_1.2@32.114,21.989 ; v1(31.1,49.2) 31.857,49.957 31.857,53.529 v1(30.762,54.625) 32.348,54.625 33.047,55.324 33.053,55.33 33.355,55.33 33.605,55.58 C32.5.2@33.605,55.68 ; v1(33,48.3) 34.8,48.3 v1(35.7,49.2) ; v1(35.9,52.248) 35.919,52.267 36.429,52.267 36.7,52.538 41.238,52.538 v1(41.5,52.8) ; v1(42.1,49.2) 42.857,49.957 42.857,53.529 v1(41.762,54.625) 43.348,54.625 44.047,55.324 44.053,55.33 44.355,55.33 44.605,55.58 C32_5.2@44.605,55.68 ; v1@45.307,18.688 45.817,18.688 46.088,18.959 50.626,18.959 v1@50.888,19.221 ; v1@51.488,15.621 52.246,16.378 52.246,19.95 51.15,21.046 52.736,21.046 53.436,21.745 53.441,21.751 53.743,21.751 53.993,22.001 C32_2.2@53.993,22.101 ; v1(67.285,18.465) 67.304,18.485 67.814,18.485 68.085,18.756 72.623,18.756 v1(72.885,19.018) ; R91.1@68.587,65.46 68.6,65.447 v1(68.6,64.775) ; v1(73.485,15.418) 74.242,16.175 74.242,19.747 v1(73.146,20.843) 74.733,20.843 75.432,21.542 75.437,21.547 75.74,21.547 75.99,21.797 C32_3.2@75.99,21.897 ; v1(74.8,63.3) v1@74.805,63.295 ; C37.2@75.703,63.295 77.124,63.295 L4.1@77.157,63.262